# KiCad board motordecoder2-k3066v3-p.kicad_pcb (continued)
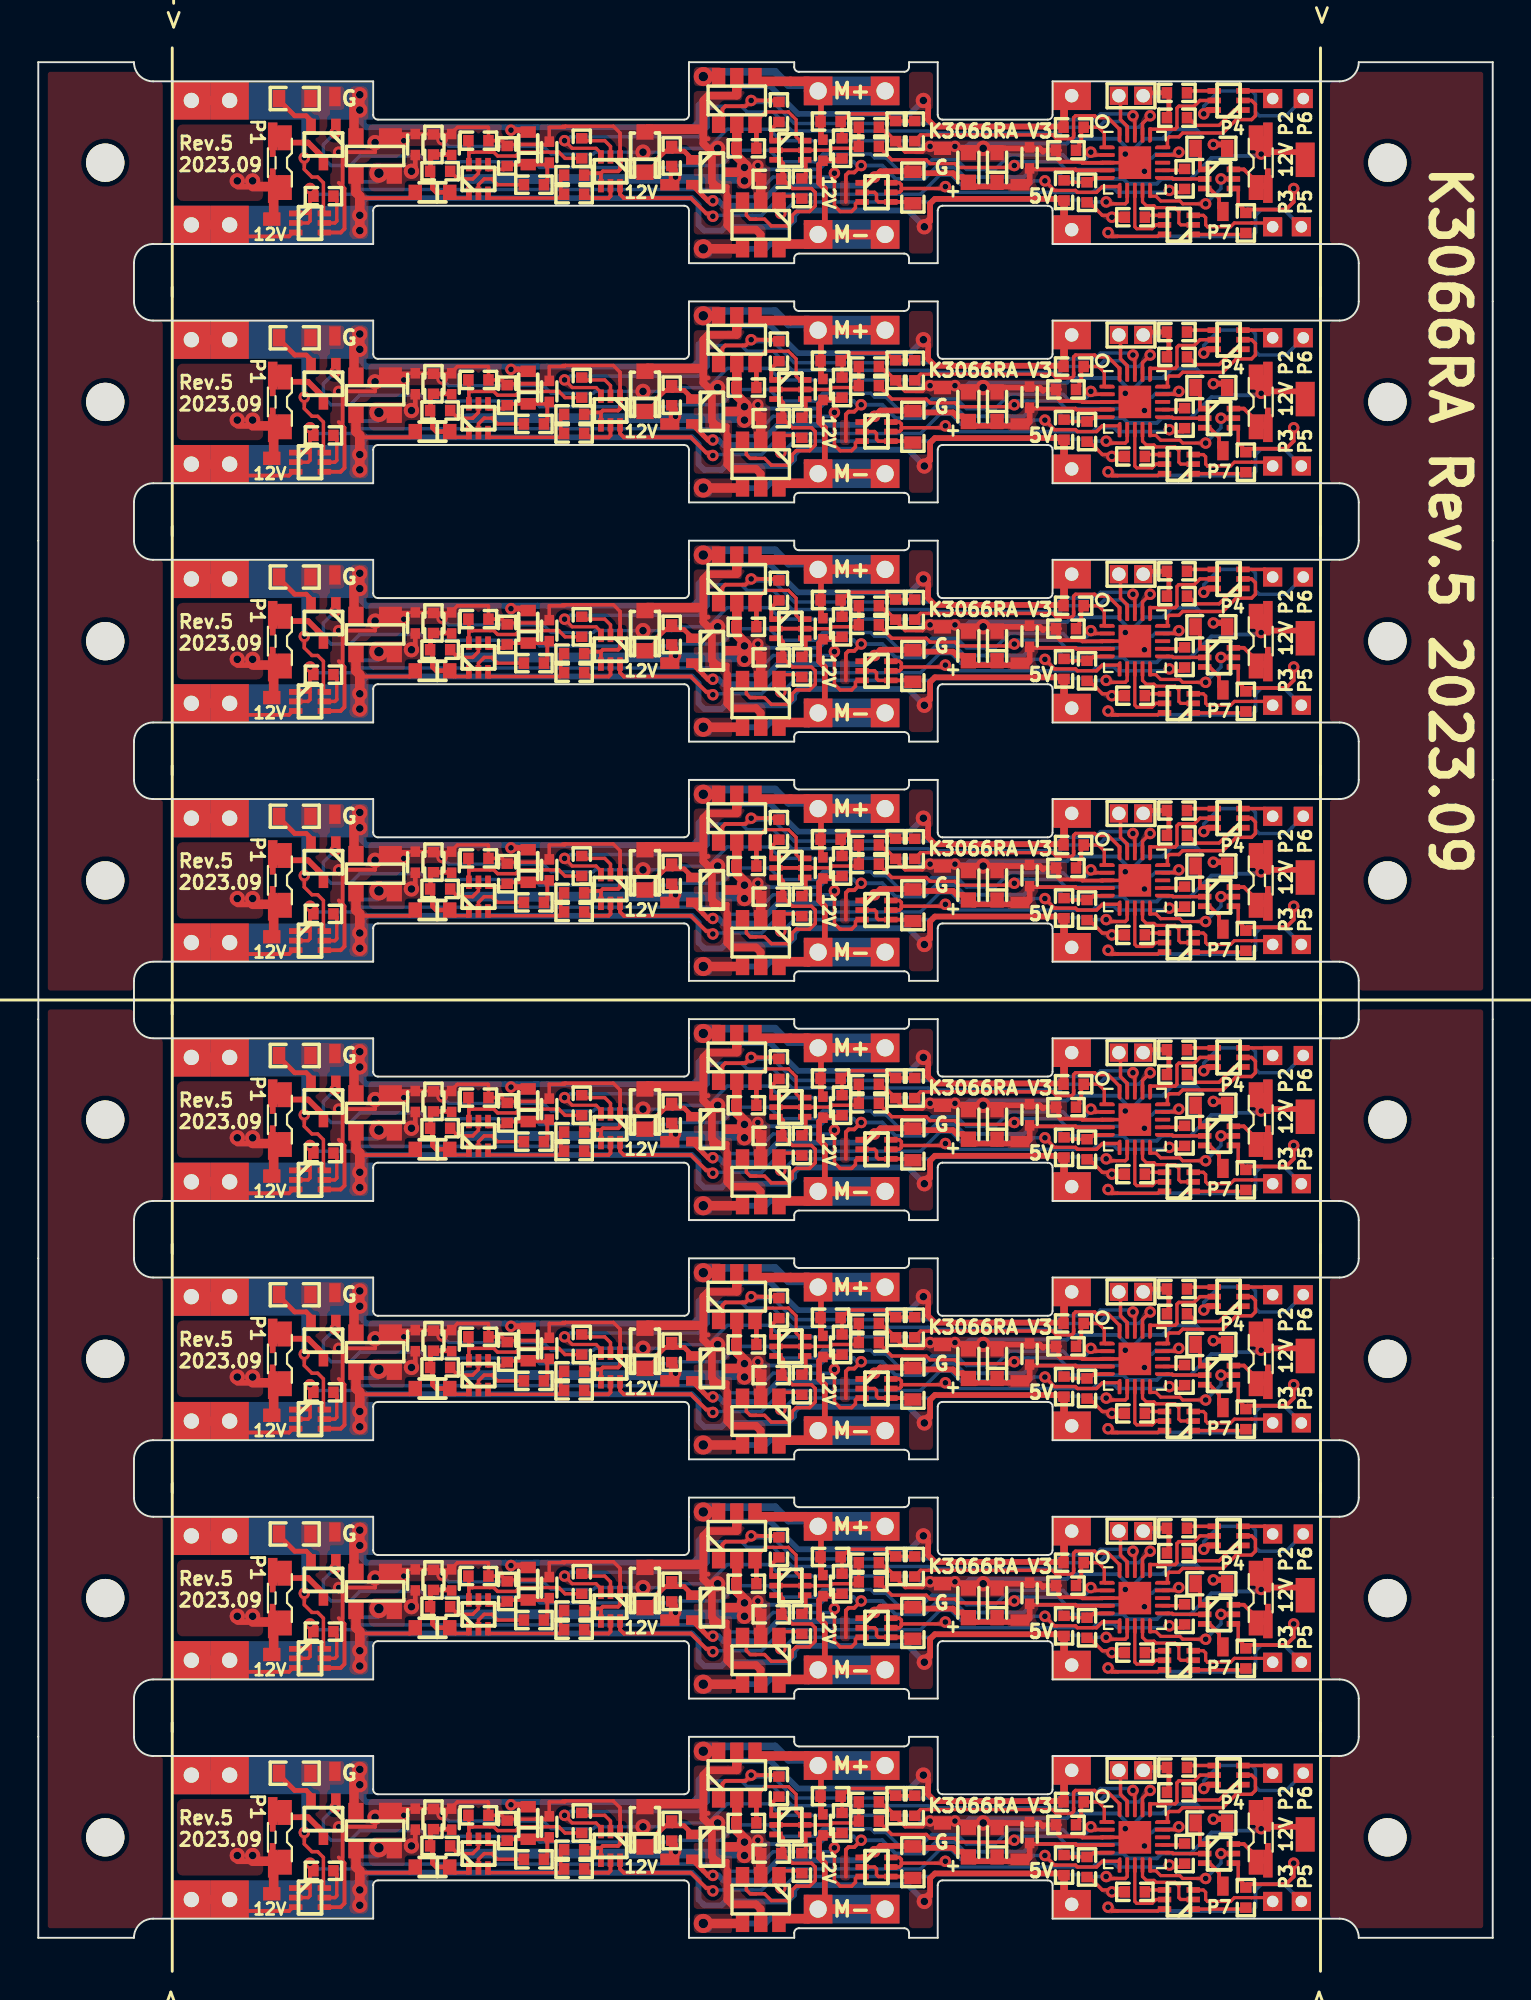
[diagram p0: board, top side]
## Routing (per net, layer and track width the routed paths; a pad name or vN(x,y) marks a point on that pad's centre or on a via; arc(x,y) is an arc through that point) (continued)
REV: length 207
  Top w0.18: U4.18 57.3,70.1 57.4,70.2 ; U9.18 57.3,7.6 57.4,7.7 ; U8.18 57.3,20.1 57.4,20.2 ; U2.18 57.3,95.1 57.4,95.2 ; 57.4,57.7 57.3,57.6 U5.18 ; 57.4,45.2 57.3,45.1 U6.18 ; 57.4,32.7 57.3,32.6 U7.18 ; U3.18 57.3,82.6 57.4,82.7
  Top w0.2: Q85.1 35.75,7.5 35.75,8.05 35.9,8.2 36.95,8.2 v3(37.25,8.5) ; v3(37.25,83.5) 38.62,83.5 R29.2 ; v3(37.25,83.5) 36.95,83.2 35.9,83.2 35.75,83.05 35.75,82.5 Q4.1 ; v3(37.25,83.5) 37.3,83.5 ; v3(37.25,46) 38.62,46 R133.2 ; v3(37.25,46) 37.3,46 ; v3(37.25,46) 36.95,45.7 35.9,45.7 35.75,45.55 35.75,45 Q49.1 ; v3(37.25,71) 37.3,71 ; v3(37.25,71) 36.95,70.7 35.9,70.7 35.75,70.55 35.75,70 Q25.1 ; v3(37.25,71) 38.62,71 R69.2 ; v3(37.25,58.5) 36.95,58.2 35.9,58.2 35.75,58.05 35.75,57.5 Q37.1 ; v3(37.25,58.5) 37.3,58.5 ; v3(37.25,58.5) 38.62,58.5 R101.2 ; v3(37.25,33.5) 36.95,33.2 35.9,33.2 35.75,33.05 35.75,32.5 Q61.1 ; v3(37.25,33.5) 38.62,33.5 R165.2 ; v3(37.25,33.5) 37.3,33.5 ; Q73.1 35.75,20 35.75,20.55 35.9,20.7 36.95,20.7 v3(37.25,21) ; v3(37.25,96) 37.3,96 ; v3(37.25,96) 38.62,96 R5.2 ; v3(37.25,96) 36.95,95.7 35.9,95.7 35.75,95.55 35.75,95 Q1.1 ; v3(37.25,8.5) 38.62,8.5 R229.2 ; v3(37.25,8.5) 37.3,8.5 ; R197.2 38.62,21 v3(37.25,21) ; v3(37.25,21) 37.3,21
  Bottom w0.18: v3(57.2,7.7) 57.1,7.8 55.5,7.8 55.2,7.5 53.5,7.5 53.2,7.2 46.8,7.2 46.7,7.3 39.5,7.3 38.4,8.4 37.35,8.4 v3(37.25,8.5) ; v3(57.2,32.7) 57.1,32.8 55.5,32.8 55.2,32.5 53.5,32.5 53.2,32.2 46.8,32.2 46.7,32.3 39.5,32.3 38.4,33.4 37.35,33.4 v3(37.25,33.5) ; v3(57.2,95.2) 57.1,95.3 55.5,95.3 55.2,95 53.5,95 53.2,94.7 46.8,94.7 46.7,94.8 39.5,94.8 38.4,95.9 37.35,95.9 v3(37.25,96) ; v3(57.2,45.2) 57.1,45.3 55.5,45.3 55.2,45 53.5,45 53.2,44.7 46.8,44.7 46.7,44.8 39.5,44.8 38.4,45.9 37.35,45.9 v3(37.25,46) ; v3(37.25,71) 37.35,70.9 38.4,70.9 39.5,69.8 46.7,69.8 46.8,69.7 47.5,69.7 53.2,69.7 53.5,70 55.2,70 55.5,70.3 57.1,70.3 v3(57.2,70.2) ; v3(57.2,20.2) 57.1,20.3 55.5,20.3 55.2,20 53.5,20 53.2,19.7 46.8,19.7 46.7,19.8 39.5,19.8 38.4,20.9 37.35,20.9 v3(37.25,21) ; v3(57.2,57.7) 57.1,57.8 55.5,57.8 55.2,57.5 53.5,57.5 53.2,57.2 46.8,57.2 46.7,57.3 39.5,57.3 38.4,58.4 37.35,58.4 v3(37.25,58.5) ; v3(57.2,82.7) 57.1,82.8 55.5,82.8 55.2,82.5 53.5,82.5 53.2,82.2 46.8,82.2 46.7,82.3 39.5,82.3 38.4,83.4 37.35,83.4 v3(37.25,83.5)
TXD: length 10.2
  Top w0.18: 60,79.92 59.93,79.85 U3.12 ; 60,67.42 59.93,67.35 U4.12 ; U6.12 59.93,42.35 60,42.42 ; U9.12 59.93,4.85 60,4.93 ; 60,92.42 59.93,92.35 U2.12 ; U7.12 59.93,29.85 60,29.92 ; 60,17.42 59.93,17.35 U8.12 ; 60,54.92 59.93,54.85 U5.12
UPDI: length 17.8
  Top w0.18: P75.1 56.55,21.17 56.55,20 56.9,19.65 U8.19 ; P9.1 56.55,96.16 56.55,95 56.9,94.65 U2.19 ; U5.19 56.9,57.15 56.55,57.5 56.55,58.67 P42.1 ; P20.1 56.55,83.66 56.55,82.5 56.9,82.15 U3.19 ; P64.1 56.55,33.67 56.55,32.5 56.9,32.15 U7.19 ; P53.1 56.55,46.17 56.55,45 56.9,44.65 U6.19 ; P31.1 56.55,71.17 56.55,70 56.9,69.65 U4.19 ; P86.1 56.55,8.66 56.55,7.5 56.9,7.15 U9.19
VRAIL+: length 39.2
  Top w0.2: R185.2 26.43,29.12 26.6,29.3 26.6,30.17 26.7,30.28 26.57,30.15 D35.1 24.57,30.15 R186.1 24.32,29.9 23.5,29.9 Q71.4 ; Q59.4 23.5,42.4 24.32,42.4 R154.1 24.57,42.65 D29.1 26.57,42.65 26.7,42.78 26.6,42.67 26.6,41.8 26.43,41.62 R153.2 ; Q21.4 23.5,92.4 24.32,92.4 R32.1 24.57,92.65 D21.1 26.57,92.65 26.7,92.78 26.6,92.67 26.6,91.8 26.43,91.62 R31.2 ; Q23.4 23.5,79.9 24.32,79.9 R58.1 24.57,80.15 D23.1 26.57,80.15 26.7,80.28 26.6,80.17 26.6,79.3 26.43,79.12 R57.2 ; Q95.4 23.5,4.9 24.32,4.9 R250.1 24.57,5.15 D47.1 26.57,5.15 26.7,5.28 26.6,5.18 26.6,4.3 26.43,4.12 R249.2 ; Q35.4 23.5,67.4 24.32,67.4 R90.1 24.57,67.65 D25.1 26.57,67.65 26.7,67.78 26.6,67.67 26.6,66.8 26.43,66.62 R89.2 ; Q83.4 23.5,17.4 24.32,17.4 R218.1 24.57,17.65 D41.1 26.57,17.65 26.7,17.78 26.6,17.67 26.6,16.8 26.43,16.62 R217.2 ; R121.2 26.43,54.12 26.6,54.3 26.6,55.17 26.7,55.28 26.57,55.15 D27.1 24.57,55.15 R122.1 24.32,54.9 23.5,54.9 Q47.4
VRAIL-: length 44.6
  Top w0.18: Q95.1 22.5,3.4 21.8,3.4 D48.1 21.5,3.6 21.7,3.4 ; 21.7,40.9 21.5,41.1 D30.1 21.8,40.9 22.5,40.9 Q59.1 ; 21.7,28.4 21.5,28.6 D36.1 21.8,28.4 22.5,28.4 Q71.1 ; 21.7,65.9 21.5,66.1 D26.1 21.8,65.9 22.5,65.9 Q35.1 ; Q47.1 22.5,53.4 21.8,53.4 D28.1 21.5,53.6 21.7,53.4 ; Q23.1 22.5,78.4 21.8,78.4 D24.1 21.5,78.6 21.7,78.4 ; 21.7,90.9 21.5,91.1 D22.1 21.8,90.9 22.5,90.9 Q21.1 ; 21.7,15.9 21.5,16.1 D42.1 21.8,15.9 22.5,15.9 Q83.1
  Top w0.25: D36.1 20.8,28.7 20.6,28.9 20.6,29.67 R189.2 20.5,29.83 20.5,30.67 21.5,30.67 ; 21.5,55.67 20.5,55.67 20.5,54.83 R125.2 20.6,54.67 20.6,53.9 20.8,53.7 D28.1 ; D30.1 20.8,41.2 20.6,41.4 20.6,42.17 R157.2 20.5,42.33 20.5,43.17 21.5,43.17 ; 21.5,5.68 20.5,5.68 20.5,4.82 R253.2 20.6,4.68 20.6,3.9 20.8,3.7 D48.1 ; 21.5,93.17 20.5,93.17 20.5,92.33 R35.2 20.6,92.17 20.6,91.4 20.8,91.2 D22.1 ; 21.5,80.67 20.5,80.67 20.5,79.83 R61.2 20.6,79.67 20.6,78.9 20.8,78.7 D24.1 ; D42.1 20.8,16.2 20.6,16.4 20.6,17.17 R221.2 20.5,17.33 20.5,18.17 21.5,18.17 ; 21.5,68.17 20.5,68.17 20.5,67.33 R93.2 20.6,67.17 20.6,66.4 20.8,66.2 D26.1
Net-(D3-Pad1): length 30
  Top w0.25: Q88.1 34.2,5.4 33.75,5.85 33.15,5.85 ; 33.15,55.85 32.75,55.85 32.3,55.4 32.3,55.2 31.85,54.75 D8.1 ; 33.15,55.85 33.1,55.9 R108.2 ; 33.15,55.85 33.75,55.85 34.2,55.4 Q40.1 ; 33.15,68.35 33.1,68.4 R76.2 ; 33.15,68.35 32.75,68.35 32.3,67.9 32.3,67.7 31.85,67.25 D6.1 ; 33.15,68.35 33.75,68.35 34.2,67.9 Q28.1 ; 33.15,30.85 33.75,30.85 34.2,30.4 Q64.1 ; 33.15,30.85 32.75,30.85 32.3,30.4 32.3,30.2 31.85,29.75 D32.1 ; 33.15,30.85 33.1,30.9 R172.2 ; R236.2 33.18,6.12 ; R236.2 33.03,6.12 ; R236.2 33.1,5.9 33.15,5.85 ; 33.15,93.35 33.1,93.4 R12.2 ; 33.15,93.35 33.75,93.35 34.2,92.9 Q5.1 ; 33.15,93.35 32.75,93.35 32.3,92.9 32.3,92.7 31.85,92.25 D3.1 ; 33.15,43.35 33.1,43.4 R140.2 ; 33.15,43.35 32.75,43.35 32.3,42.9 32.3,42.7 31.85,42.25 D10.1 ; 33.15,43.35 33.75,43.35 34.2,42.9 Q52.1 ; R108.2 33.18,56.12 ; R108.2 33.03,56.12 ; R204.2 33.1,18.4 33.15,18.35 ; R204.2 33.18,18.62 ; R204.2 33.03,18.62 ; 33.15,18.35 33.75,18.35 34.2,17.9 Q76.1 ; 33.15,18.35 32.75,18.35 32.3,17.9 32.3,17.7 31.85,17.25 D38.1 ; 33.03,93.62 R12.2 ; R12.2 33.18,93.62 ; 33.15,80.85 32.75,80.85 32.3,80.4 32.3,80.2 31.85,79.75 D4.1 ; 33.15,80.85 33.75,80.85 34.2,80.4 Q10.1 ; 33.15,80.85 33.1,80.9 R44.2 ; 33.15,5.85 32.75,5.85 32.3,5.4 32.3,5.2 31.85,4.75 D44.1 ; R44.2 33.03,81.12 ; R44.2 33.18,81.12 ; R76.2 33.18,68.62 ; R76.2 33.03,68.62 ; R172.2 33.18,31.12 ; R172.2 33.03,31.12 ; R140.2 33.18,43.62 ; R140.2 33.03,43.62
Net-(D11-Pad1): length 47.7
  Top w0.2: D11.1 12.25,93.92 12.38,94.05 12.8,93.62 12.8,93.6 ; D33.1 12.25,31.42 12.38,31.55 12.8,31.12 12.8,31.1 ; D45.1 12.25,6.43 12.38,6.55 12.8,6.12 12.8,6.1 ; D15.1 12.25,68.92 12.38,69.05 12.8,68.62 12.8,68.6 ; 12.8,18.6 12.8,18.62 12.38,19.05 12.25,18.92 D39.1 ; 12.8,81.1 12.8,81.12 12.38,81.55 12.25,81.42 D13.1 ; D17.1 12.25,56.42 12.38,56.55 12.8,56.12 12.8,56.1 ; 12.8,43.6 12.8,43.62 12.38,44.05 12.25,43.92 D19.1
  Top w0.25: 14.9,68 14.9,67.95 ; 14.9,43 14.9,42.95 ; 14.9,80.5 14.9,80.45 ; 14.9,93 14.9,92.95 ; 14.9,55.5 14.9,55.45 ; 14.9,18 14.9,17.95 ; 14.9,30.5 14.9,30.45 ; 14.9,5.5 14.9,5.45
  Top w0.3: 12.38,56.55 12.3,56.55 ; 12.38,56.55 12.38,56.88 12.5,57 ; 12.38,56.55 12.38,56.12 ; 12.38,6.55 12.3,6.55 ; 12.38,6.55 12.38,6.88 12.5,7 ; 12.38,6.55 12.38,6.12 ; 12.38,44.05 12.38,44.38 12.5,44.5 ; 12.38,44.05 12.3,44.05 ; 12.38,44.05 12.38,43.62 ; 12.38,94.05 12.3,94.05 ; 12.38,94.05 12.38,94.38 12.5,94.5 ; 12.38,94.05 12.38,93.62 ; 12.95,56.2 12.6,56.55 12.85,56.3 14.1,56.3 14.9,55.5 Q43.3 ; 12.38,31.55 12.38,31.88 12.5,32 ; 12.38,31.55 12.3,31.55 ; 12.38,31.55 12.38,31.12 ; 12.95,18.7 12.6,19.05 12.85,18.8 14.1,18.8 14.9,18 Q79.3 ; Q11.3 14.9,93 14.1,93.8 12.85,93.8 12.6,94.05 12.95,93.7 ; 12.95,43.7 12.6,44.05 12.85,43.8 14.1,43.8 14.9,43 Q55.3 ; 12.38,81.55 12.38,81.88 12.5,82 ; 12.38,81.55 12.3,81.55 ; 12.38,81.55 12.38,81.12 ; Q91.3 14.9,5.5 14.1,6.3 12.85,6.3 12.6,6.55 12.95,6.2 ; Q17.3 14.9,80.5 14.1,81.3 12.85,81.3 12.6,81.55 12.95,81.2 ; 12.38,69.05 12.38,69.38 12.5,69.5 ; 12.38,69.05 12.3,69.05 ; 12.38,69.05 12.38,68.62 ; 12.95,31.2 12.6,31.55 12.85,31.3 14.1,31.3 14.9,30.5 Q67.3 ; 12.5,19.5 12.38,19.38 12.38,19.05 ; Q31.3 14.9,68 14.1,68.8 12.85,68.8 12.6,69.05 12.95,68.7 ; 12.38,19.05 12.3,19.05 ; 12.38,19.05 12.38,18.62
Net-(D12-Pad1): length 28.4
  Top w0.17: D46.1 64.18,3.95 D46.1 ; D16.1 64.18,66.45 D16.1 ; D34.1 64.18,28.95 D34.1 ; D20.1 64.18,41.45 D20.1 ; D12.1 64.18,91.45 D12.1 ; D40.1 64.18,16.45 D40.1 ; D18.1 64.18,53.95 D18.1 ; D14.1 64.18,78.95 D14.1
  Top w0.2: D40.1 64.25,16.58 64.12,16.45 64.12,16.67 ; 64.12,66.67 64.12,66.45 64.25,66.58 D16.1 ; Q18.6 63,79.9 63.88,79.03 63.88,78.95 ; 64.12,4.18 64.12,3.95 64.25,4.07 D46.1 ; D18.1 64.25,54.08 64.12,53.95 64.12,54.17 ; D14.1 64.25,79.08 64.12,78.95 64.12,79.17 ; 64.12,91.67 64.12,91.45 64.25,91.58 D12.1 ; 63.88,53.95 63.88,54.03 63,54.9 Q44.6 ; 64.12,29.17 64.12,28.95 64.25,29.08 D34.1 ; Q56.6 63,42.4 63.88,41.53 63.88,41.45 ; Q80.6 63,17.4 63.88,16.53 63.88,16.45 ; 63.88,28.95 63.88,29.03 63,29.9 Q68.6 ; D20.1 64.25,41.58 64.12,41.45 64.12,41.67 ; Q32.6 63,67.4 63.88,66.53 63.88,66.45 ; Q92.6 63,4.9 63.88,4.03 63.88,3.95 ; Q12.6 63,92.4 63.88,91.53 63.88,91.45
Net-(J12-Pad1): length 120.3
  Top w0.18: v3(55.9,64.1) 56.1,63.9 56.4,63.9 ; 56.4,26.4 58.5,26.4 58.6,26.5 58.95,26.5 ; 56.4,26.4 56.2,26.4 ; 56.4,26.4 56.1,26.4 v3(55.9,26.6) ; 58.95,76.5 58.6,76.5 58.5,76.4 56.4,76.4 ; 56.4,88.9 58.5,88.9 58.6,89 58.95,89 ; 56.4,88.9 56.1,88.9 v3(55.9,89.1) ; 56.4,88.9 56.2,88.9 ; 58.95,14 58.6,14 58.5,13.9 56.4,13.9 ; 56.4,1.4 56.1,1.4 v3(55.9,1.6) ; 56.4,1.4 58.5,1.4 58.6,1.5 58.95,1.5 ; 56.4,1.4 56.2,1.4 ; 56.4,51.4 58.5,51.4 58.6,51.5 58.95,51.5 ; 56.4,51.4 56.2,51.4 ; 56.4,51.4 56.1,51.4 v3(55.9,51.6) ; 56.4,38.9 56.2,38.9 ; 56.4,38.9 56.1,38.9 v3(55.9,39.1) ; 56.4,38.9 58.5,38.9 58.6,39 58.95,39 ; 56.4,63.9 58.5,63.9 58.6,64 58.95,64 ; 56.4,63.9 56.2,63.9 ; 56.4,13.9 56.2,13.9 ; 56.4,13.9 56.1,13.9 v3(55.9,14.1) ; v3(55.9,76.6) 56.1,76.4 56.4,76.4 ; 56.4,76.4 56.2,76.4
  Bottom w0.2: J17.1 65.1,77.8 63.9,77.8 63.6,77.5 63.6,76.6 63.4,76.4 56.1,76.4 v3(55.9,76.6) ; J26.1 65.1,65.3 63.9,65.3 63.6,65 63.6,64.1 63.4,63.9 56.1,63.9 v3(55.9,64.1) ; J33.1 65.1,52.8 63.9,52.8 63.6,52.5 63.6,51.6 63.4,51.4 56.1,51.4 v3(55.9,51.6) ; J40.1 65.1,40.3 63.9,40.3 63.6,40 63.6,39.1 63.4,38.9 56.1,38.9 v3(55.9,39.1) ; v3(55.9,1.6) 56.1,1.4 63.4,1.4 63.6,1.6 63.6,2.5 63.9,2.8 65.1,2.8 J61.1 ; v3(55.9,14.1) 56.1,13.9 63.4,13.9 63.6,14.1 63.6,15 63.9,15.3 65.1,15.3 J54.1 ; J47.1 65.1,27.8 63.9,27.8 63.6,27.5 63.6,26.6 63.4,26.4 56.1,26.4 v3(55.9,26.6) ; J12.1 65.1,90.3 63.9,90.3 63.6,90 63.6,89.1 63.4,88.9 56.1,88.9 v3(55.9,89.1)
Net-(J14-Pad1): length 41.7
  Top w0.17: Q45.3 60.88,52.5 61,52.38 61,52 61.1,51.9 62.3,51.9 62.5,52.1 64.3,52.1 J35.1 ; Q33.3 60.88,65 61,64.88 61,64.5 61.1,64.4 62.3,64.4 62.5,64.6 64.3,64.6 J28.1 ; J63.1 64.3,2.1 62.5,2.1 62.3,1.9 61.1,1.9 61,2 61,2.38 60.88,2.5 Q93.3 ; J42.1 64.3,39.6 62.5,39.6 62.3,39.4 61.1,39.4 61,39.5 61,39.88 60.88,40 Q57.3 ; Q13.3 60.88,90 61,89.88 61,89.5 61.1,89.4 62.3,89.4 62.5,89.6 64.3,89.6 J14.1 ; Q81.3 60.88,15 61,14.88 61,14.5 61.1,14.4 62.3,14.4 62.5,14.6 64.3,14.6 J56.1 ; Q69.3 60.88,27.5 61,27.38 61,27 61.1,26.9 62.3,26.9 62.5,27.1 64.3,27.1 J49.1 ; Q19.3 60.88,77.5 61,77.38 61,77 61.1,76.9 62.3,76.9 62.5,77.1 64.3,77.1 J21.1
  Top w0.18: 64.2,2.2 J63.1 ; 64.2,77.2 J21.1 ; 64.2,39.7 J42.1 ; 64.2,64.7 J28.1 ; 64.2,27.2 J49.1 ; 64.2,89.7 J14.1 ; 64.2,14.7 J56.1 ; 64.2,52.2 J35.1
Net-(J16-Pad1): length 64
  Top w0.3: v3(60.9,20.3) 61.1,20.5 Q82.6 ; Q58.6 61.1,45.5 v3(60.9,45.3) ; Q70.6 61.1,33 v3(60.9,32.8) ; v3(60.9,57.8) 61.1,58 Q46.6 ; v3(60.9,70.3) 61.1,70.5 Q34.6 ; v3(60.9,82.8) 61.1,83 Q20.6 ; Q14.6 61.1,95.5 v3(60.9,95.3) ; v3(60.9,7.8) 61.1,8 Q94.6
  Bottom w0.18: J57.1 65.2,20.2 63.8,20.2 63.6,20.4 63.6,21.3 63.4,21.5 61.7,21.5 60.9,20.7 v3(60.9,20.3) ; v3(60.9,45.3) 60.9,45.7 61.7,46.5 63.4,46.5 63.6,46.3 63.6,45.4 63.8,45.2 65.2,45.2 J43.1 ; J50.1 65.2,32.7 63.8,32.7 63.6,32.9 63.6,33.8 63.4,34 61.7,34 60.9,33.2 v3(60.9,32.8) ; J36.1 65.2,57.7 63.8,57.7 63.6,57.9 63.6,58.8 63.4,59 61.7,59 60.9,58.2 v3(60.9,57.8) ; v3(60.9,70.3) 60.9,70.7 61.7,71.5 63.4,71.5 63.6,71.3 63.6,70.4 63.8,70.2 65.2,70.2 J29.1 ; v3(60.9,95.3) 60.9,95.7 61.7,96.5 63.4,96.5 63.6,96.3 63.6,95.4 63.8,95.2 65.2,95.2 J16.1 ; v3(60.9,7.8) 60.9,8.2 61.7,9 63.4,9 63.6,8.8 63.6,7.9 63.8,7.7 65.2,7.7 J64.1 ; J22.1 65.2,82.7 63.8,82.7 63.6,82.9 63.6,83.8 63.4,84 61.7,84 60.9,83.2 v3(60.9,82.8)
Net-(J18-Pad1): length 12.9
  Top w0.18: J37.1 64.1,59 63.05,59 ; J18.1 64.1,96.5 63.05,96.5 ; 63.05,34 64.1,34 J51.1 ; 63.05,46.5 64.1,46.5 J44.1 ; J23.1 64.1,84 63.05,84 ; 63.05,71.5 64.1,71.5 J30.1 ; J65.1 64.1,9 63.05,9 ; J58.1 64.1,21.5 63.05,21.5
Net-(J19-Pad1): length 13.9
  Top w0.18: J19.1 61.7,90.4 ; J24.1 61.7,77.9 ; 61.2,16.4 Q80.3 ; J31.1 61.7,65.4 ; J59.1 61.7,15.4 ; J52.1 61.7,27.9 ; 61.2,53.9 Q44.3 ; 61.2,66.4 Q32.3 ; 61.2,78.9 Q18.3 ; 61.2,41.4 Q56.3 ; J38.1 61.7,52.9 ; 61.2,91.4 Q12.3 ; 61.2,28.9 Q68.3 ; 61.2,3.9 Q92.3 ; J45.1 61.7,40.4 ; J66.1 61.7,2.9
  Top w0.2: 61.2,53.9 61.7,53.4 61.7,52.9 ; 61.2,28.9 61.7,28.4 61.7,27.9 ; 61.2,78.9 61.7,78.4 61.7,77.9 ; 61.2,91.4 61.7,90.9 61.7,90.4 ; 61.7,65.4 61.7,65.9 61.2,66.4 ; 61.2,3.9 61.7,3.4 61.7,2.9 ; 61.2,41.4 61.7,40.9 61.7,40.4 ; 61.7,15.4 61.7,15.9 61.2,16.4
Net-(Q1-Pad3): length 42
  Top w0.17: 39.8,43.9 39.6,44.1 39.6,45 39.2,45.4 38,45.4 37.45,44.85 ; 39.8,18.9 39.6,19.1 39.6,20 39.2,20.4 38,20.4 37.45,19.85 ; 39.8,6.4 39.6,6.6 39.6,7.5 39.2,7.9 38,7.9 37.45,7.35 ; 39.8,31.4 39.6,31.6 39.6,32.5 39.2,32.9 38,32.9 37.45,32.35 ; 37.45,82.35 38,82.9 39.2,82.9 39.6,82.5 39.6,81.6 39.8,81.4 ; 37.45,69.85 38,70.4 39.2,70.4 39.6,70 39.6,69.1 39.8,68.9 ; 37.45,57.35 38,57.9 39.2,57.9 39.6,57.5 39.6,56.6 39.8,56.4 ; 37.45,94.85 38,95.4 39.2,95.4 39.6,95 39.6,94.1 39.8,93.9
  Top w0.18: 37.55,44.7 Q49.3 37.45,44.85 ; 37.45,57.35 Q37.3 37.55,57.2 ; 37.45,94.85 Q1.3 37.55,94.7 ; 37.45,7.35 Q85.3 37.55,7.2 ; 37.45,19.85 Q73.3 37.55,19.7 ; 37.45,32.35 Q61.3 37.55,32.2 ; 37.45,82.35 Q4.3 37.55,82.2 ; 37.45,69.85 Q25.3 37.55,69.7
  Top w0.25: R131.2 37.53,44.72 Q49.3 ; Q1.3 37.53,94.72 R3.2 ; R27.2 37.53,82.22 Q4.3 ; R99.2 37.53,57.22 Q37.3 ; R195.2 37.53,19.72 Q73.3 ; Q85.3 37.53,7.22 R227.2 ; R163.2 37.53,32.22 Q61.3 ; R67.2 37.53,69.72 Q25.3
Net-(Q2-Pad3): length 81.4
  Top w0.18: 37.5,14.8 37.2,14.8 37,15 37,15.5 Q74.3 ; 37.5,14.8 37.95,14.8 38.31,14.44 39.14,14.44 39.4,14.7 39.4,15 39.6,15.2 40.3,15.2 40.6,15.5 40.6,16.2 40.4,16.4 39.4,16.4 38.82,16.97 38.82,17 39.03,16.8 ; 37.5,14.8 37.25,14.8 ; 37.25,77.3 37.5,77.3 ; 37.5,77.3 37.95,77.3 38.31,76.94 39.14,76.94 39.4,77.2 39.4,77.5 39.6,77.7 40.3,77.7 40.6,78 40.6,78.7 40.4,78.9 39.4,78.9 38.82,79.47 38.82,79.5 39.03,79.3 ; 37.5,77.3 37.2,77.3 37,77.5 37,78 Q7.3 ; 39.03,66.8 38.82,67 38.82,66.97 39.4,66.4 40.4,66.4 40.6,66.2 40.6,65.5 40.3,65.2 39.6,65.2 39.4,65 39.4,64.7 39.14,64.44 38.31,64.44 37.95,64.8 37.5,64.8 ; Q38.3 37,53 37,52.5 37.2,52.3 37.5,52.3 ; 39.03,29.3 38.82,29.5 38.82,29.47 39.4,28.9 40.4,28.9 40.6,28.7 40.6,28 40.3,27.7 39.6,27.7 39.4,27.5 39.4,27.2 39.14,26.94 38.31,26.94 37.95,27.3 37.5,27.3 ; 37.5,89.8 37.95,89.8 38.31,89.44 39.14,89.44 39.4,89.7 39.4,90 39.6,90.2 40.3,90.2 40.6,90.5 40.6,91.2 40.4,91.4 39.4,91.4 38.82,91.97 38.82,92 39.03,91.8 ; 37.5,89.8 37.2,89.8 37,90 37,90.5 Q2.3 ; 37.5,89.8 37.25,89.8 ; 37.5,27.3 37.2,27.3 37,27.5 37,28 Q62.3 ; 37.5,27.3 37.25,27.3 ; 37.5,52.3 37.95,52.3 38.31,51.94 39.14,51.94 39.4,52.2 39.4,52.5 39.6,52.7 40.3,52.7 40.6,53 40.6,53.7 40.4,53.9 39.4,53.9 38.82,54.47 38.82,54.5 39.03,54.3 ; 37.5,52.3 37.25,52.3 ; Q50.3 37,40.5 37,40 37.2,39.8 37.5,39.8 ; 37.5,2.3 37.95,2.3 38.31,1.94 39.14,1.94 39.4,2.2 39.4,2.5 39.6,2.7 40.3,2.7 40.6,3 40.6,3.7 40.4,3.9 39.4,3.9 38.82,4.47 38.82,4.5 39.03,4.3 ; 37.5,2.3 37.25,2.3 ; 37.5,2.3 37.2,2.3 37,2.5 37,3 Q86.3 ; Q26.3 37,65.5 37,65 37.2,64.8 37.5,64.8 ; 37.25,39.8 37.5,39.8 ; 37.5,39.8 37.95,39.8 38.31,39.44 39.14,39.44 39.4,39.7 39.4,40 39.6,40.2 40.3,40.2 40.6,40.5 40.6,41.2 40.4,41.4 39.4,41.4 38.82,41.97 38.82,42 39.03,41.8 ; 37.25,64.8 37.5,64.8
  Top w0.2: Q63.3 38.3,30.4 ; 38.82,16.97 38.82,16.9 ; 38.82,66.97 38.82,66.9 ; Q87.3 38.3,5.4 ; 38.82,54.47 38.82,54.4 ; Q39.3 38.3,55.4 ; Q51.3 38.3,42.9 ; Q3.3 38.3,92.9 ; 38.82,79.47 38.82,79.4 ; 38.82,41.97 38.82,41.9 ; 38.82,91.97 38.82,91.9 ; 38.82,4.47 38.82,4.4 ; Q27.3 38.3,67.9 ; Q9.3 38.3,80.4 ; 38.82,29.47 38.82,29.4 ; Q75.3 38.3,17.9
  Top w0.25: 38.82,41.9 38.9,41.97 38.9,42.7 38.7,42.9 Q51.3 ; Q39.3 38.7,55.4 38.9,55.2 38.9,54.47 38.82,54.4 ; Q9.3 38.7,80.4 38.9,80.2 38.9,79.47 38.82,79.4 ; Q3.3 38.7,92.9 38.9,92.7 38.9,91.97 38.82,91.9 ; Q75.3 38.7,17.9 38.9,17.7 38.9,16.97 38.82,16.9 ; 38.82,4.4 38.9,4.47 38.9,5.2 38.7,5.4 Q87.3 ; 38.82,29.4 38.9,29.47 38.9,30.2 38.7,30.4 Q63.3 ; 38.82,66.9 38.9,66.97 38.9,67.7 38.7,67.9 Q27.3
Net-(Q3-Pad1): length 11.2
  Top w0.2: Q51.1 38.3,43.9 38.3,44.5 38.68,44.88 R133.1 ; Q87.1 38.3,6.4 38.3,7 38.68,7.38 R229.1 ; R197.1 38.68,19.88 38.3,19.5 38.3,18.9 Q75.1 ; R101.1 38.68,57.38 38.3,57 38.3,56.4 Q39.1 ; Q27.1 38.3,68.9 38.3,69.5 38.68,69.88 R69.1 ; R165.1 38.68,32.38 38.3,32 38.3,31.4 Q63.1 ; R29.1 38.68,82.38 38.3,82 38.3,81.4 Q9.1 ; Q3.1 38.3,93.9 38.3,94.5 38.68,94.88 R5.1
Net-(Q3-Pad2): length 42.5
  Top w0.18: Q27.5 41.4,68.4 41.5,68.5 42.78,68.5 42.88,68.4 42.88,69.3 ; 42.88,31.8 42.88,30.9 42.78,31 41.5,31 41.4,30.9 Q63.5 ; Q51.5 41.4,43.4 41.5,43.5 42.78,43.5 42.88,43.4 42.88,44.3 ; Q75.5 41.4,18.4 41.5,18.5 42.78,18.5 42.88,18.4 42.88,19.3 ; Q39.5 41.4,55.9 41.5,56 42.78,56 42.88,55.9 42.88,56.8 ; 42.88,81.8 42.88,80.9 42.78,81 41.5,81 41.4,80.9 Q9.5 ; Q87.5 41.4,5.9 41.5,6 42.78,6 42.88,5.9 42.88,6.8 ; 42.88,94.3 42.88,93.4 42.78,93.5 41.5,93.5 41.4,93.4 Q3.5
  Top w0.2: Q27.2 Q27.5 ; Q39.2 Q39.5 ; Q63.2 Q63.5 ; Q9.2 Q9.5 ; Q75.2 Q75.5 ; Q3.2 Q3.5 ; Q87.2 Q87.5 ; Q51.2 Q51.5
Net-(Q3-Pad4): length 8.7
  Top w0.2: Q75.4 40.1,17.85 40.1,17.1 39.93,16.92 R198.1 ; Q87.4 40.1,5.35 40.1,4.6 39.93,4.43 R230.1 ; Q3.4 40.1,92.85 40.1,92.1 39.93,91.92 R6.1 ; Q63.4 40.1,30.35 40.1,29.6 39.93,29.42 R166.1 ; R134.1 39.93,41.92 40.1,42.1 40.1,42.85 Q51.4 ; Q27.4 40.1,67.85 40.1,67.1 39.93,66.92 R70.1 ; Q39.4 40.1,55.35 40.1,54.6 39.93,54.42 R102.1 ; Q9.4 40.1,80.35 40.1,79.6 39.93,79.42 R30.1
Net-(Q6-Pad2): length 24.5
  Top w0.18: Q6.4 43.9,90.7 43.8,90.8 43.8,91.1 43.7,91.2 Q6.2 ; Q15.2 43.7,78.7 43.8,78.6 43.8,78.3 43.9,78.2 Q15.4 ; Q77.2 43.7,16.2 43.8,16.1 43.8,15.8 43.9,15.7 Q77.4 ; Q89.2 43.7,3.7 43.8,3.6 43.8,3.3 43.9,3.2 Q89.4 ; Q41.2 43.7,53.7 43.8,53.6 43.8,53.3 43.9,53.2 Q41.4 ; Q53.2 43.7,41.2 43.8,41.1 43.8,40.8 43.9,40.7 Q53.4 ; Q29.2 43.7,66.2 43.8,66.1 43.8,65.8 43.9,65.7 Q29.4 ; Q65.2 43.7,28.7 43.8,28.6 43.8,28.3 43.9,28.2 Q65.4
  Top w0.2: Q77.4 45.62,15.7 R206.1 ; Q29.4 45.62,65.7 R78.1 ; Q41.4 45.62,53.2 R110.1 ; R14.1 45.62,90.7 Q6.4 ; R174.1 45.62,28.2 Q65.4 ; Q89.4 45.62,3.2 R238.1 ; Q53.4 45.62,40.7 R142.1 ; Q15.4 45.62,78.2 R46.1
Net-(Q6-Pad3): length 283.3
  Top w0.17: Q29.3 42.8,65.7 ; Q89.3 42.8,3.2 ; Q6.3 42.8,90.7 ; Q77.3 42.8,15.7 ; Q15.3 42.8,78.2 ; Q41.3 42.8,53.2 ; Q53.3 42.8,40.7 ; Q65.3 42.8,28.2
  Top w0.18: Q16.1 14.2,77.6 ; 14.2,77.6 14.2,78.58 ; 14.2,77.6 14.2,77.2 14.1,77.1 Q16.2 ; 14.2,27.6 14.2,27.2 14.1,27.1 Q66.2 ; 14.2,27.6 14.2,28.58 ; 14.2,27.6 Q66.1 ; v3(41.6,17.2) 41.6,15.5 41.9,15.2 42.5,15.2 42.7,15.4 42.7,15.6 42.8,15.7 ; 14.2,15.1 14.2,14.7 14.1,14.6 Q78.2 ; 14.2,15.1 14.2,16.08 ; 14.2,15.1 Q78.1 ; 14.2,52.6 14.2,52.2 14.1,52.1 Q42.2 ; 14.2,52.6 14.2,53.58 ; 14.2,52.6 Q42.1 ; v3(41.6,42.2) 41.6,40.5 41.9,40.2 42.5,40.2 42.7,40.4 42.7,40.6 42.8,40.7 ; v3(41.6,54.7) 41.6,53 41.9,52.7 42.5,52.7 42.7,52.9 42.7,53.1 42.8,53.2 ; 42.8,65.7 42.7,65.6 42.7,65.4 42.5,65.2 41.9,65.2 41.6,65.5 v3(41.6,67.2) ; Q90.1 14.2,2.6 ; 14.2,2.6 14.2,2.2 14.1,2.1 Q90.2 ; 14.2,2.6 14.2,3.57 ; 14.2,40.1 14.2,39.7 14.1,39.6 Q54.2 ; 14.2,40.1 Q54.1 ; 14.2,40.1 14.2,41.08 ; 42.8,28.2 42.7,28.1 42.7,27.9 42.5,27.7 41.9,27.7 41.6,28 v3(41.6,29.7) ; 14.2,65.1 14.2,66.08 ; 14.2,65.1 Q30.1 ; 14.2,65.1 14.2,64.7 14.1,64.6 Q30.2 ; v3(41.6,92.2) 41.6,90.5 41.9,90.2 42.5,90.2 42.7,90.4 42.7,90.6 42.8,90.7 ; 41.7,67.3 41.8,67.2 ; 14.2,90.1 14.2,91.08 ; 14.2,90.1 14.2,89.7 14.1,89.6 Q8.2 ; 14.2,90.1 Q8.1 ; 41.7,92.3 41.8,92.2 ; v3(41.6,4.7) 41.6,3 41.9,2.7 42.5,2.7 42.7,2.9 42.7,3.1 42.8,3.2 ; 41.7,79.8 41.8,79.7 ; 41.7,54.8 41.8,54.7 ; 41.7,29.8 41.8,29.7 ; 41.7,4.8 41.8,4.7 ; 41.7,42.3 41.8,42.2 ; 42.8,78.2 42.7,78.1 42.7,77.9 42.5,77.7 41.9,77.7 41.6,78 v3(41.6,79.7) ; 41.7,17.3 41.8,17.2
  Top w0.5: R111.1 14.38,53.72 v3(14.2,53.9) ; R143.1 14.38,41.22 v3(14.2,41.4) ; R47.1 14.38,78.72 v3(14.2,78.9) ; v3(14.2,91.4) 14.38,91.22 R15.1 ; R79.1 14.38,66.22 v3(14.2,66.4) ; v3(14.2,16.4) 14.38,16.22 R207.1 ; R175.1 14.38,28.72 v3(14.2,28.9) ; R239.1 14.38,3.72 v3(14.2,3.9)
  Bottom w0.18: 34.95,28.85 35.7,28.85 36.07,28.47 37.38,28.47 38.4,29.5 41.4,29.5 v3(41.6,29.7) ; 34.95,41.35 35.7,41.35 36.07,40.97 37.38,40.97 38.4,42 41.4,42 v3(41.6,42.2) ; 34.9,78.85 16.85,78.85 16.6,78.6 14.6,78.6 14.2,79 ; 14.2,16.5 14.6,16.1 16.6,16.1 16.85,16.35 34.9,16.35 ; 34.9,66.35 16.85,66.35 16.6,66.1 14.6,66.1 14.2,66.5 ; 34.9,41.35 16.85,41.35 16.6,41.1 14.6,41.1 14.2,41.5 ; 14.2,54 14.6,53.6 16.6,53.6 16.85,53.85 34.9,53.85 ; 34.9,91.35 16.85,91.35 16.6,91.1 14.6,91.1 14.2,91.5 ; v3(41.6,92.2) 41.4,92 38.4,92 37.38,90.97 36.07,90.97 35.7,91.35 34.95,91.35 ; 34.95,3.85 35.7,3.85 36.07,3.47 37.38,3.47 38.4,4.5 41.4,4.5 v3(41.6,4.7) ; 34.95,66.35 35.7,66.35 36.07,65.97 37.38,65.97 38.4,67 41.4,67 v3(41.6,67.2) ; 34.95,78.85 35.7,78.85 36.07,78.47 37.38,78.47 38.4,79.5 41.4,79.5 v3(41.6,79.7) ; 34.9,28.85 16.85,28.85 16.6,28.6 14.6,28.6 14.2,29 ; v3(41.6,54.7) 41.4,54.5 38.4,54.5 37.38,53.47 36.07,53.47 35.7,53.85 34.95,53.85 ; v3(41.6,17.2) 41.4,17 38.4,17 37.38,15.97 36.07,15.97 35.7,16.35 34.95,16.35 ; 34.9,3.85 16.85,3.85 16.6,3.6 14.6,3.6 14.2,4
Net-(Q6-Pad5): length 136.9
  Top w0.18: 60,16.38 59.82,16.2 59.4,16.2 59.3,16.3 v3(59.1,16.3) ; Q65.5 45,28.7 45.1,28.8 45.1,28.9 ; 60,41.38 59.82,41.2 59.4,41.2 59.3,41.3 v3(59.1,41.3) ; 45.1,3.9 47.3,3.9 v3(47.4,4) ; 45.1,3.9 45.1,3.8 45,3.7 Q89.5 ; 45.1,3.9 45.1,4.1 45,4.2 Q89.6 ; v3(47.4,79) 47.3,78.9 45.1,78.9 ; 45.1,78.9 45.1,79.1 45,79.2 Q15.6 ; 45.1,78.9 45.1,78.8 45,78.7 Q15.5 ; 45.1,91.4 45.1,91.3 45,91.2 Q6.5 ; 45.1,91.4 47.3,91.4 v3(47.4,91.5) ; 45.1,91.4 45.1,91.6 45,91.7 Q6.6 ; 45.1,16.4 45.1,16.6 45,16.7 Q77.6 ; 45.1,16.4 47.3,16.4 v3(47.4,16.5) ; 45.1,16.4 45.1,16.3 45,16.2 Q77.5 ; v3(59.1,91.3) 59.3,91.3 59.4,91.2 59.82,91.2 60,91.38 ; 45.1,66.4 45.1,66.3 45,66.2 Q29.5 ; 45.1,66.4 45.1,66.6 45,66.7 Q29.6 ; 45.1,66.4 47.3,66.4 v3(47.4,66.5) ; 45.1,53.9 47.3,53.9 v3(47.4,54) ; 45.1,53.9 45.1,54.1 45,54.2 Q41.6 ; 45.1,53.9 45.1,53.8 45,53.7 Q41.5 ; 45.1,28.9 45.1,29.1 45,29.2 Q65.6 ; 45.1,28.9 47.3,28.9 v3(47.4,29) ; Q53.6 45,41.7 45.1,41.6 45.1,41.4 ; 45.1,41.4 45.1,41.3 45,41.2 Q53.5 ; 45.1,41.4 47.3,41.4 v3(47.4,41.5) ; v3(59.1,78.8) 59.3,78.8 59.4,78.7 59.82,78.7 60,78.88 ; v3(59.1,53.8) 59.3,53.8 59.4,53.7 59.82,53.7 60,53.88 ; v3(59.1,3.8) 59.3,3.8 59.4,3.7 59.82,3.7 60,3.88 ; 60,66.38 59.82,66.2 59.4,66.2 59.3,66.3 v3(59.1,66.3) ; v3(59.1,28.8) 59.3,28.8 59.4,28.7 59.82,28.7 60,28.88